# KiCad board arena_10_of_10_v1r1.kicad_pcb (continued)
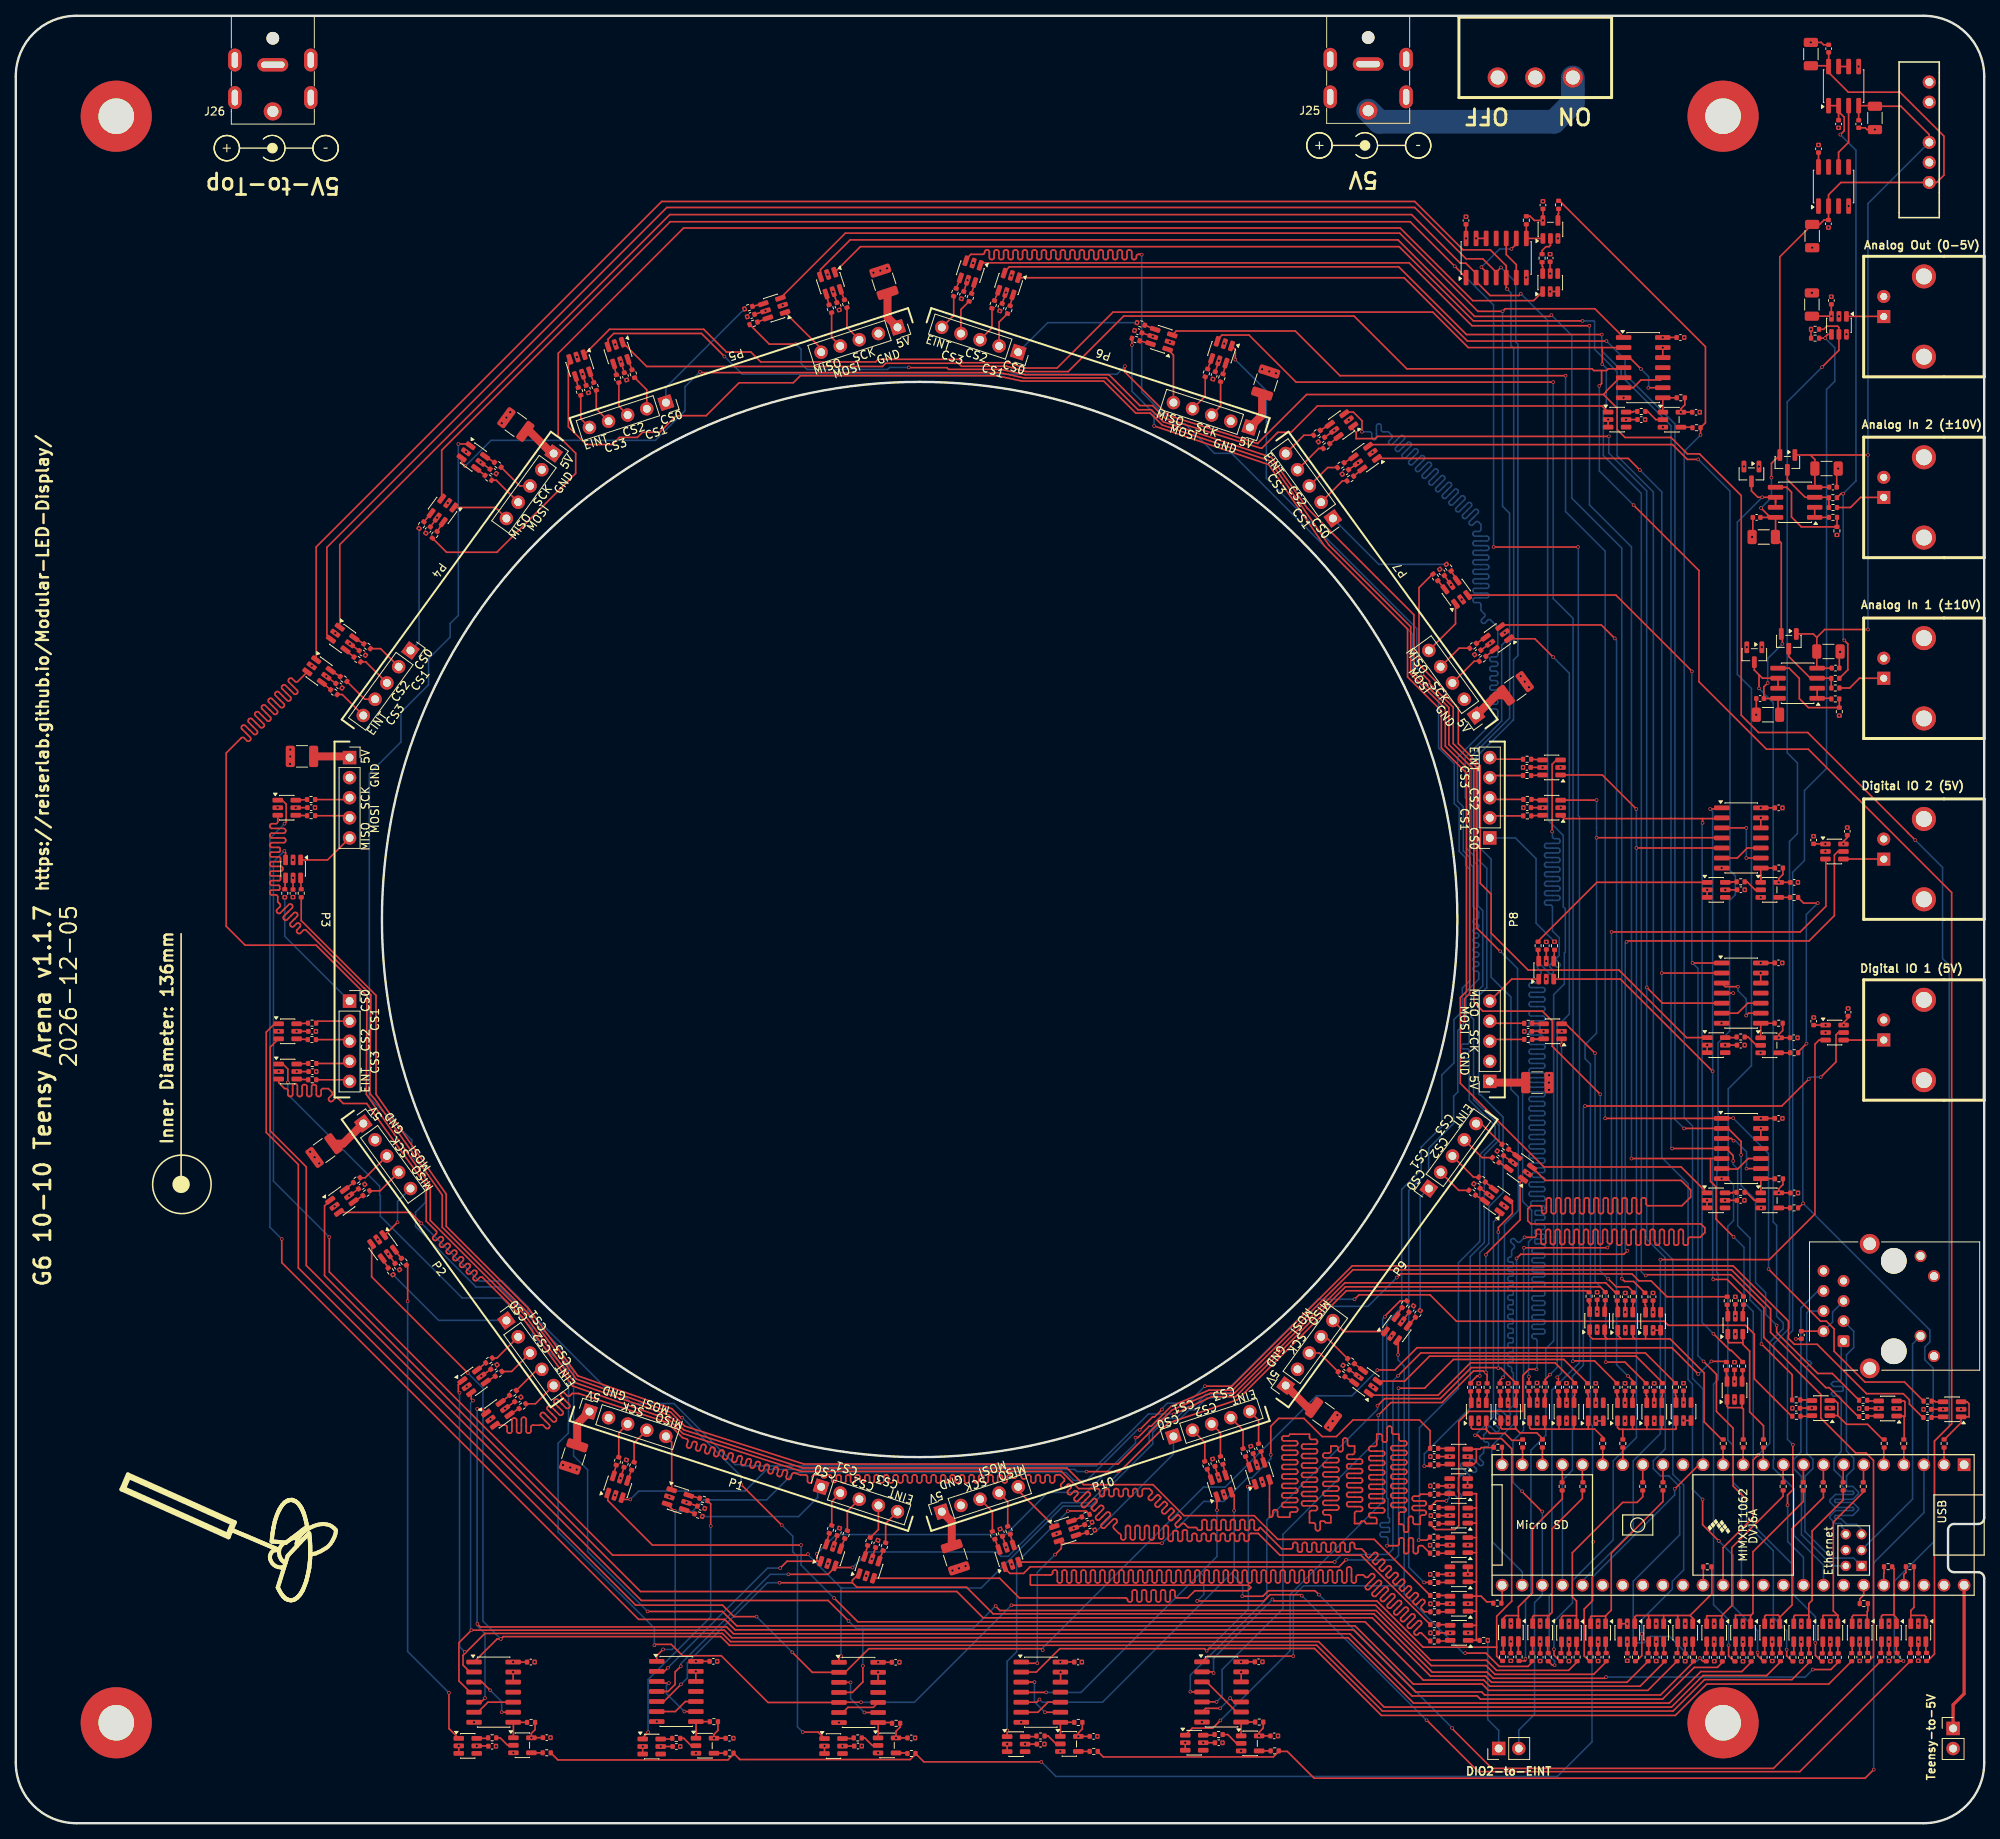
[diagram p0: board, top side]
## Routing (per net, layer and track width the routed paths; a pad name or vN(x,y) marks a point on that pad's centre or on a via; arc(x,y) is an arc through that point) (continued)
/Fan Out/TNY.MISO_B0: length 347
  Top w0.2: v1(129.69,7.76) 114.83,7.76 R192.1 113.77,8.72 113.11,8.05 91.57,8.05 91.45,8.17 90.83,8.79 ; U1.14 212.84,45.34 v1(209.79,42.28) ; R195.1 195.22,205.2 213.67,186.75 213.67,177.12 R198.1 v1(213.05,175.58) ; R189.1 68.55,8 90.04,8 90.83,8.79 ; 90.83,8.79 R186.1
  Bottom w0.2: v1(209.79,42.28) 209.79,41.51 199.32,31.05 199.32,10.29 194.95,5.92 131.53,5.92 v1(129.69,7.76) ; U1.14 213.36,54.92 212.04,56.25 212.04,88.18 210.99,89.23 210.99,173.52 v1(213.05,175.58)
/Fan Out/TNY.MISO_B1: length 226.8
  Top w0.2: R213.1 137.52,8.38 159.01,8.38 159.71,9.08 ; R201.1 225.46,77.83 v1(226.03,78.4) ; R207.1 225.39,117.07 226.08,116.38 v1(227.88,116.38) ; v1(234.95,6.78) 233.86,5.69 164.18,5.69 160.79,9.08 159.71,9.08 ; 159.71,9.08 R210.1 ; R204.1 225.4,97.55 v1(226.45,98.6)
  Bottom w0.2: v1(234.95,6.78) 234.95,32.93 241.3,39.28 U1.3 241.83,45.87 241.83,51.23 242.48,51.88 242.48,57.55 241.42,58.6 241.42,60.25 242.05,60.88 242.05,62.37 v1(226.03,78.4) 225.99,78.43 225.99,98.14 v1(226.45,98.6) 226.43,98.63 226.43,114.93 v1(227.88,116.38)
/Fan Out/TNY.MOSI_B0: length 32.5
  Top w0.2: 200.93,62 200.93,61.57 201.24,61.26 ; 200.93,62 U7.3 200.93,62 ; 215.92,48.51 215.76,48.51 213.5,50.77 213.5,56.95 209.19,61.26 206.1,61.26 ; 199.03,62.02 U7.1 199.03,62.02 ; 199.03,62.02 199.03,61.62 199.39,61.26 201.24,61.26 ; 201.24,61.26 203.03,61.26 ; 203.03,61.26 202.58,61.71 202.58,62.37 ; 203.03,61.26 204.76,61.26 ; 204.76,61.26 206.1,61.26 ; 204.76,61.26 204.49,61.54 U8.3 ; 206.1,61.26 U9.1
/Fan Out/TNY.MOSI_B1: length 13.9
  Top w0.2: U14.1 206.25,49.83 206.24,49.82 ; 204.45,49.82 206.24,49.82 ; 204.45,49.82 203.22,49.82 ; 204.45,49.82 U13.3 ; 206.24,49.82 208.14,49.82 ; 203.22,49.82 R14.1 ; 203.22,49.82 202.78,49.82 202.55,50.05 U13.1 ; U14.3 208.15,49.83 208.14,49.82 ; 209.95,50.93 209.95,49.88 209.89,49.82 208.14,49.82
/Fan Out/TNY.SCK_B0: length 19.6
  Top w0.2: 211.73,26.27 214.48,29.02 214.48,32.27 214.42,32.33 R24.1 ; 211.73,26.27 212.06,25.94 U5.1 ; 211.73,26.27 210.13,26.27 ; U5.3 210.17,26.24 210.13,26.27 ; U4.1 208.39,26.27 ; 208.39,26.27 206.5,26.27 ; 208.39,26.27 210.13,26.27 ; 206.5,26.27 206.49,26.26 U4.3 ; 206.5,26.27 204.92,26.27 204.74,26.09 U6.1
/Fan Out/TNY.SCK_B1: length 15.4
  Top w0.2: U12.1 198.85,49.86 198.87,49.84 ; 198.87,49.84 199.67,49.84 200.68,48.83 200.68,48.35 ; 198.87,49.84 197.04,49.84 ; 193.37,49.84 193.34,49.87 193.34,50.93 ; 193.37,49.84 191.6,49.84 191.44,50 191.44,50.93 ; 193.37,49.84 195.15,49.84 ; U11.1 195.15,49.84 ; 195.15,49.84 197.04,49.84 ; U11.3 197.05,49.85 197.04,49.84
/Panels/Panel Column P1/Column Buffer/CS0_OUT: length 17.1
  Top w0.2: 86.82,38.81 R101.2 v1(86.82,38.81)
  Bottom w0.2: v1(86.82,38.81) 86.85,38.78 98.98,38.78 101.4,41.19 101.4,42.11 J6.1
/Panels/Panel Column P1/Column Buffer/CS1_OUT: length 4.5
  Top w0.2: J6.2 103.18,40.69 R102.2
/Panels/Panel Column P1/Column Buffer/CS2_OUT: length 4.6
  Top w0.2: J6.3 105.15,39.46 R103.2
/Panels/Panel Column P1/Column Buffer/CS_3OUT: length 4.5
  Top w0.2: J6.4 109.08,37.15 R104.2
/Panels/Panel Column P1/Column Buffer/EINT_OUT: length 4.6
  Top w0.2: J6.5 110,37.9 R105.2
/Panels/Panel Column P1/Column Buffer/MISO_IN: length 7.1
  Top w0.2: U43.1 82.94,48.19 J5.5
/Panels/Panel Column P1/Column Buffer/MOSI_OUT: length 4.7
  Top w0.2: J5.4 78.19,48.11 R100.2
/Panels/Panel Column P1/Column Buffer/SCK_OUT: length 4.7
  Top w0.2: J5.3 76.25,49.37 R99.2
/Panels/Panel Column P2/Column Buffer/CS0_OUT: length 16.8
  Top w0.2: 47.69,69.38 R109.2 ; 47.69,69.38 47.69,69.38 ; 47.69,69.38 v1(47.69,69.38)
  Bottom w0.2: v1(47.69,69.38) 53.47,63.6 62.02,63.6 J8.1
/Panels/Panel Column P2/Column Buffer/CS1_OUT: length 4.4
  Top w0.2: J8.2 60.84,58.83 R110.2
/Panels/Panel Column P2/Column Buffer/CS2_OUT: length 4.5
  Top w0.2: J8.3 62.7,57.14 R111.2
/Panels/Panel Column P2/Column Buffer/CS_3OUT: length 4.4
  Top w0.2: R112.2 65.97,57.41 J8.4
/Panels/Panel Column P2/Column Buffer/EINT_OUT: length 4.5
  Top w0.2: R113.2 65.71,53.05 J8.5
/Panels/Panel Column P2/Column Buffer/MISO_IN: length 7.4
  Top w0.2: U47.1 46.65,74.38 v1(48.28,76)
  Bottom w0.2: v1(48.28,76) 48.28,78.64 J7.5
/Panels/Panel Column P2/Column Buffer/MOSI_OUT: length 4.6
  Top w0.2: R108.2 46.08,79.99 J7.4
/Panels/Panel Column P2/Column Buffer/SCK_OUT: length 4.5
  Top w0.2: J7.3 44.18,81.64 R107.2
/Panels/Panel Column P3/Column Buffer/CS0_OUT: length 16.5
  Top w0.2: R117.2 v1(34.01,117.11)
  Bottom w0.2: v1(34.01,117.11) 34.01,112.18 J10.1
/Panels/Panel Column P3/Column Buffer/CS1_OUT: length 4.3
  Top w0.2: J10.2 38.22,101.44 R118.2
/Panels/Panel Column P3/Column Buffer/CS2_OUT: length 4.3
  Top w0.2: R119.2 42,99.11 J10.3
/Panels/Panel Column P3/Column Buffer/CS_3OUT: length 4.3
  Top w0.2: J10.4 41.94,96.09 R120.2
/Panels/Panel Column P3/Column Buffer/EINT_OUT: length 4.3
  Top w0.2: R121.2 42,94.03 J10.5
/Panels/Panel Column P3/Column Buffer/MISO_IN: length 7.3
  Top w0.2: 36.01,121.84 39.42,121.84 J9.5
/Panels/Panel Column P3/Column Buffer/MOSI_OUT: length 4.5
  Top w0.2: J9.4 41.94,127.43 R116.2
/Panels/Panel Column P3/Column Buffer/SCK_OUT: length 4.5
  Top w0.2: J9.3 41.98,129.47 R115.2
/Panels/Panel Column P4/Column Buffer/CS0_OUT: length 15.9
  Top w0.2: 50.99,163.77 v1(50.99,163.77) ; 50.99,163.77 51,163.77 50.99,163.77
  Bottom w0.2: v1(50.99,163.77) 50.99,149.41 J12.1
/Panels/Panel Column P4/Column Buffer/CS1_OUT: length 4.5
  Top w0.2: J12.2 46.13,148.56 R126.2
/Panels/Panel Column P4/Column Buffer/CS2_OUT: length 4.4
  Top w0.2: J12.3 44.25,146.89 R127.2
/Panels/Panel Column P4/Column Buffer/CS_3OUT: length 4.5
  Top w0.2: R128.2 44.12,142.16 J12.4
/Panels/Panel Column P4/Column Buffer/EINT_OUT: length 4.4
  Top w0.2: R129.2 41.29,142.75 J12.5
/Panels/Panel Column P4/Column Buffer/MISO_IN: length 7.2
  Top w0.2: U55.1 60.65,166.41 J11.5
/Panels/Panel Column P4/Column Buffer/MOSI_OUT: length 4.5
  Top w0.2: R124.2 60.76,169.86 J11.4
/Panels/Panel Column P4/Column Buffer/SCK_OUT: length 4.6
  Top w0.2: J11.3 63.74,169.13 R123.2
/Panels/Panel Column P5/Column Buffer/CS0_OUT: length 16
  Top w0.2: 92.16,191.53 R133.2 92.16,191.53 ; 92.16,191.53 v1(92.16,191.53)
  Bottom w0.2: J14.1 82.21,181.58 v1(92.16,191.53)
/Panels/Panel Column P5/Column Buffer/CS1_OUT: length 4.6
  Top w0.2: J14.2 79.79,181.29 R134.2
/Panels/Panel Column P5/Column Buffer/CS2_OUT: length 4.6
  Top w0.2: J14.3 76.26,179.22 R135.2
/Panels/Panel Column P5/Column Buffer/CS_3OUT: length 4.6
  Top w0.2: R136.2 73.4,178.88 J14.4
/Panels/Panel Column P5/Column Buffer/EINT_OUT: length 4.5
  Top w0.2: R137.2 71.44,177.64 J14.5
/Panels/Panel Column P5/Column Buffer/MISO_IN: length 6.9
  Top w0.2: U59.1 101.84,186.52 J13.5
/Panels/Panel Column P5/Column Buffer/MOSI_OUT: length 4.7
  Top w0.2: R132.2 103.16,187.93 J13.4
/Panels/Panel Column P5/Column Buffer/SCK_OUT: length 4.7
  Top w0.2: J13.3 105.1,189.19 R131.2
/Panels/Panel Column P6/Column Buffer/CS0_OUT: length 16.6
  Top w0.2: v1(141.78,189.79) R141.2 141.78,189.79
  Bottom w0.2: v1(141.78,189.79) 130.5,189.79 J16.1
/Panels/Panel Column P6/Column Buffer/CS1_OUT: length 4.5
  Top w0.2: J16.2 124.35,189.87 R142.2
/Panels/Panel Column P6/Column Buffer/CS2_OUT: length 4.6
  Top w0.2: R143.2 123.45,189.14 J16.3
/Panels/Panel Column P6/Column Buffer/CS_3OUT: length 4.5
  Top w0.2: J16.4 119.52,191.45 R144.2
/Panels/Panel Column P6/Column Buffer/EINT_OUT: length 4.6
  Top w0.2: R145.2 118.6,190.7 J16.5
/Panels/Panel Column P6/Column Buffer/MISO_IN: length 7.1
  Top w0.2: J15.5 146.39,185.69 U63.1
/Panels/Panel Column P6/Column Buffer/MOSI_OUT: length 4.7
  Top w0.2: J15.4 150.41,180.49 R140.2
/Panels/Panel Column P6/Column Buffer/SCK_OUT: length 4.7
  Top w0.2: R139.2 152.35,179.23 J15.3
/Panels/Panel Column P7/Column Buffer/CS0_OUT: length 16.8
  Top w0.2: R149.2 v1(180.9,159.22)
  Bottom w0.2: v1(180.9,159.22) 172.36,159.22 J18.1
/Panels/Panel Column P7/Column Buffer/CS1_OUT: length 4.4
  Top w0.2: R150.2 167.76,169.77 J18.2
/Panels/Panel Column P7/Column Buffer/CS2_OUT: length 4.5
  Top w0.2: J18.3 165.9,171.46 R151.2
/Panels/Panel Column P7/Column Buffer/CS_3OUT: length 4.4
  Top w0.2: R152.2 164.77,173.88 J18.4
/Panels/Panel Column P7/Column Buffer/EINT_OUT: length 4.5
  Top w0.2: J18.5 162.89,175.55 R153.2
/Panels/Panel Column P7/Column Buffer/MISO_IN: length 7.3
  Top w0.2: J17.5 182.06,151.7 U67.1
/Panels/Panel Column P7/Column Buffer/MOSI_OUT: length 4.6
  Top w0.2: R148.2 182.52,148.61 J17.4
/Panels/Panel Column P7/Column Buffer/SCK_OUT: length 4.5
  Top w0.2: R147.2 184.42,146.96 J17.3
/Panels/Panel Column P8/Column Buffer/CS0_OUT: length 18.4
  Top w0.2: 194.58,111.5 R157.2 194.58,111.5 ; 194.58,111.5 v1(194.58,111.5)
  Bottom w0.2: J20.1 189.63,124.62 192.25,122 192.25,113.83 v1(194.58,111.5)
/Panels/Panel Column P8/Column Buffer/CS1_OUT: length 4.3
  Top w0.2: R158.2 186.64,127.41 J20.2
/Panels/Panel Column P8/Column Buffer/CS2_OUT: length 4.3
  Top w0.2: R159.2 186.6,129.49 J20.3
/Panels/Panel Column P8/Column Buffer/CS_3OUT: length 4.3
  Top w0.2: J20.4 186.66,132.51 R160.2
/Panels/Panel Column P8/Column Buffer/EINT_OUT: length 4.3
  Top w0.2: J20.5 186.6,134.57 R161.2
/Panels/Panel Column P8/Column Buffer/MISO_IN: length 7.3
  Top w0.2: J19.5 189.18,106.77 192.59,106.77
/Panels/Panel Column P8/Column Buffer/MOSI_OUT: length 4.5
  Top w0.2: R156.2 186.66,101.17 J19.4
/Panels/Panel Column P8/Column Buffer/SCK_OUT: length 4.5
  Top w0.2: R155.2 186.62,99.13 J19.3
/Panels/Panel Column P9/Column Buffer/CS0_OUT: length 15.9
  Top w0.2: 177.6,64.84 v1(177.6,64.84) ; 177.6,64.84 177.6,64.84 177.6,64.84
  Bottom w0.2: J22.1 177.6,79.18 v1(177.6,64.84)
/Panels/Panel Column P9/Column Buffer/CS1_OUT: length 4.5
  Top w0.2: J22.2 182.47,80.04 R166.2
/Panels/Panel Column P9/Column Buffer/CS2_OUT: length 4.4
  Top w0.2: J22.3 184.35,81.71 R167.2
/Panels/Panel Column P9/Column Buffer/CS_3OUT: length 4.5
  Top w0.2: R168.2 185.42,84.19 J22.4
/Panels/Panel Column P9/Column Buffer/EINT_OUT: length 4.4
  Top w0.2: J22.5 185.3,88.49 R169.2
/Panels/Panel Column P9/Column Buffer/MISO_IN: length 7.2
  Top w0.2: U75.1 167.95,62.19 J21.5
/Panels/Panel Column P9/Column Buffer/MOSI_OUT: length 4.5
  Top w0.2: R164.2 165.65,61.52 J21.4
/Panels/Panel Column P9/Column Buffer/SCK_OUT: length 4.6
  Top w0.2: J21.3 164.86,59.47 R163.2
/Panels/Panel Column P10/Column Buffer/CS0_OUT: length 16.2
  Top w0.2: 136.44,37.07 R173.2 136.44,37.07 ; 136.44,37.07 v1(136.44,37.07)
  Bottom w0.2: v1(136.44,37.07) 136.77,37.07 146.39,46.69 J24.1
/Panels/Panel Column P10/Column Buffer/CS1_OUT: length 4.6
  Top w0.2: J24.2 150.35,48.16 R174.2
/Panels/Panel Column P10/Column Buffer/CS2_OUT: length 4.6
  Top w0.2: J24.3 152.34,49.38 R175.2
/Panels/Panel Column P10/Column Buffer/CS_3OUT: length 4.6
  Top w0.2: R176.2 155.2,49.72 J24.4
/Panels/Panel Column P10/Column Buffer/EINT_OUT: length 4.5
  Top w0.2: R177.2 157.16,50.96 J24.5
/Panels/Panel Column P10/Column Buffer/MISO_IN: length 6.9
  Top w0.2: J23.5 126.76,42.08 U79.1
/Panels/Panel Column P10/Column Buffer/MOSI_OUT: length 4.7
  Top w0.2: R172.2 125.44,40.67 J23.4
/Panels/Panel Column P10/Column Buffer/SCK_OUT: length 4.7
  Top w0.2: J23.3 123.5,39.41 R171.2
/Power/SW_5V: length 32.3
  Bottom w0.2: SW1.1 196.9,219.2 196.9,219.19
  Bottom w3: J25.1 172.42,215.2 194.51,215.2 196.9,217.59 SW1.1
/Teensy/D29_0_3V3: length 90.2
  Top w0.2: v1(207.97,71.28) 221.75,71.28 227.52,77.05 227.52,98.53 228.04,99.05 U2.3
  Bottom w0.2: v1(207.97,71.28) 207.97,49.27 204.54,45.84 204.54,37.06 198.12,30.64 U1.29
/Teensy/D29_5V: length 5.1
  Top w0.2: U2.4 236.21,99.05 J3.1
/Teensy/D35_0_3V3: length 151.8
  Top w0.2: v1(201.27,72.81) 201.24,72.78 v1(190.74,72.78) ; v1(201.79,112.73) 225.66,112.73 228.9,115.97 228.9,121.9 U3.3 ; v1(190.47,41.98) 190.47,41.95 193,39.42 v1(193.04,39.42)
  Bottom w0.2: J30.2 190.06,11.79 192.06,13.78 192.06,27.9 193.04,28.88 U1.27 v1(193.04,39.42) ; v1(190.47,41.98) 189.33,43.12 189.33,48.35 190.67,49.69 190.67,72.71 v1(190.74,72.78) ; v1(201.27,72.81) 201.79,73.33 v1(201.79,112.73)
/Teensy/D35_5V: length 5.1
  Top w0.2: 236.2,121.96 J4.1 236.2,121.95 U3.4
/Teensy/ETH_LED: length 31
  Bottom w0.2: 234.01,35.14 U1.61 234.01,35.14 ; 234.01,35.14 239.86,40.99 239.86,60.61 J1.10
/Teensy/ETH_R+: length 41
  Bottom w0.2: 232.91,33.03 U1.60 232.91,33.03 ; 232.91,33.03 232.42,33.53 229.62,33.53 226.25,36.9 226.25,43.87 226.26,43.87 227.26,44.87 227.26,46.03 226.47,46.82 226.47,57.7 226.68,57.91 226.87,57.91 227.08,58.13 227.08,58.23 226.87,58.44 226.68,58.44 226.47,58.66 226.47,64.54 226.7,64.77 J1.4
/Teensy/ETH_R-: length 40.5
  Bottom w0.2: U1.65 229.77,32.54 225.81,36.51 225.81,43.87 224.83,44.85 224.83,46.05 224.86,46.05 225.74,46.93 225.74,65.16 227.89,67.31 J1.6
/Teensy/ETH_T+: length 39.6
  Bottom w0.2: U1.63 231.41,36.97 230.9,37.48 230.9,37.8 230.8,37.9 230.11,37.9 229.39,38.62 229.39,38.82 230.11,39.54 232.31,39.54 232.41,39.64 232.41,39.84 232.31,39.94 230.11,39.94 229.39,40.66 229.39,40.86 230.11,41.58 232.31,41.58 232.41,41.68 232.41,41.88 232.31,41.98 231.62,41.98 230.9,42.7 230.9,43.72 229.93,44.69 229.93,46.09 230.84,47 230.84,53.75 230.59,54 229.85,54 229.6,54.25 229.6,54.37 229.85,54.62 230.96,54.62 231.08,54.74 231.08,55.12 230.96,55.24 229.85,55.24 229.6,55.49 229.6,55.61 229.85,55.86 230.59,55.86 230.84,56.11 230.84,60.66 J1.1
/Teensy/ETH_T-: length 39.8
  Bottom w0.2: J1.3 232.42,62.22 232.42,60.15 231.5,59.23 231.5,47.09 232.41,46.18 232.41,44.82 231.52,43.93 231.52,42.7 231.62,42.6 232.31,42.6 233.03,41.88 233.03,41.68 232.31,40.96 230.11,40.96 230.01,40.86 230.01,40.66 230.11,40.56 232.31,40.56 233.03,39.84 233.03,39.64 232.31,38.92 230.11,38.92 230.01,38.82 230.01,38.62 230.11,38.52 230.8,38.52 231.52,37.8 232.77,37.8 233.41,37.16 U1.62
Net-(J1-RCT): length 7.7
  Top w0.2: C1.1 J1.2
  Bottom w0.2: J1.5 229.75,64.65 229.75,63.38 J1.2
Net-(J30-Pin_1): length 14.3
  Top w0.2: R216.1 v1(186.14,23.13)
  Bottom w0.2: v1(186.14,23.13) 186.14,13.11 187.53,11.73 J30.1
Net-(R28-Pad1): length 1.5
  Top w0.2: R28.1 208.39,21.58 U4.6
Net-(R29-Pad1): length 1.5
  Top w0.2: U4.4 206.49,21.58 R29.1
Net-(R30-Pad1): length 1.5
  Top w0.2: R30.1 212.06,21.58 U5.6
Net-(R31-Pad1): length 1.5
  Top w0.2: R31.1 210.17,21.6 U5.4
Net-(R32-Pad1): length 1.5
  Top w0.2: U6.6 204.74,21.59 R32.1
Net-(R33-Pad1): length 2
  Top w0.2: R33.1 198.95,65.79 199.03,65.71 199.03,65.2 ; 199.03,65.2 U7.6 199.03,65.2
Net-(R34-Pad1): length 1.9
  Top w0.2: 201,66.15 201,65.57 200.93,65.5 200.93,65.1 ; 200.93,65.1 200.93,65.09 U7.4 200.93,65.1
Net-(R35-Pad1): length 1.5
  Top w0.2: R35.1 202.51,65.43 202.58,65.36 202.58,64.65
Net-(R36-Pad1): length 1.5
  Top w0.2: U8.4 204.49,65.61 204.55,65.67 R36.1
Net-(R37-Pad1): length 1.5
  Top w0.2: R37.1 206.02,65.59 206.1,65.51 U9.6
Net-(R38-Pad1): length 1.5
  Top w0.2: U10.6 191.44,53.98 191.35,54.07 R38.1
Net-(R39-Pad1): length 1.5
  Top w0.2: R39.1 193.41,54.06 193.42,54.05 193.34,53.97 U10.4
Net-(R40-Pad1): length 1.5
  Top w0.2: U11.6 195.15,53.93 195.07,54.01 R40.1
Net-(R41-Pad1): length 1.5
  Top w0.2: U11.4 197.05,54 197.13,54.09 R41.1
Net-(R42-Pad1): length 1.5
  Top w0.2: U12.6 198.85,54.18 198.77,54.26 R42.1
Net-(R43-Pad1): length 1.5
  Top w0.2: U13.6 202.55,54.03 202.48,54.11 R43.1
Net-(R44-Pad1): length 1.5
  Top w0.2: U13.4 204.45,53.98 204.54,54.07 R44.1
Net-(R45-Pad1): length 1.5
  Top w0.2: U14.6 206.25,54.04 206.17,54.12 R45.1
Net-(R46-Pad1): length 1.5
  Top w0.2: U14.4 208.15,54 208.22,54.07 R46.1
Net-(R47-Pad1): length 1.5
  Top w0.2: R47.1 209.88,54.13 209.95,54.05 U15.6
Net-(R48-Pad1): length 1.5
  Top w0.2: R48.1 242.34,51.4 U16.6
Net-(R49-Pad1): length 1.5
  Top w0.2: U16.4 242.75,53.3 242.67,53.38 R49.1
Net-(R50-Pad1): length 1.5
  Top w0.2: U17.6 234.2,51.5 R50.1
Net-(R51-Pad1): length 1.5
  Top w0.2: U17.4 234.21,53.4 R51.1
Net-(R52-Pad1): length 1.5
  Top w0.2: U18.6 227.04,51.47 R52.1
Net-(R53-Pad1): length 1.5
  Top w0.2: U18.4 227.04,53.54 R53.1
Net-(R54-Pad1): length 1.5
  Top w0.2: 230.42,22.95 230.42,21.54 R54.1
Net-(R55-Pad1): length 1.5
  Top w0.2: R55.1 228.51,21.56 U19.4
Net-(R56-Pad1): length 1.5
  Top w0.2: R56.1 226.74,21.56 U20.6
Net-(R57-Pad1): length 1.5
  Top w0.2: R57.1 224.84,21.6 U20.4
Net-(R58-Pad1): length 1.5
  Top w0.2: U21.6 223.06,21.9 223.14,21.81 R58.1
Net-(R59-Pad1): length 1.5
  Top w0.2: 221.12,21.54 R59.1 221.12,21.54 ; 221.12,21.54 221.16,21.57 U21.4
Net-(R60-Pad1): length 1.5
  Top w0.2: U22.6 219.38,21.56 R60.1
Net-(R61-Pad1): length 1.5
  Top w0.2: U22.4 217.48,21.56 R61.1
Net-(R62-Pad1): length 1.5
  Top w0.2: 215.76,21.53 R62.1 215.76,21.53 ; 215.76,21.53 215.73,21.56 U23.6
Net-(R63-Pad1): length 1.5
  Top w0.2: 213.8,21.53 213.82,21.55 U23.4 ; 213.8,21.53 R63.1 213.8,21.53
Net-(R64-Pad1): length 1.5
  Top w0.2: R64.1 216.42,64.98 216.5,64.9 U24.6
Net-(R65-Pad1): length 1.5
  Top w0.2: R65.1 218.48,64.99 218.4,64.91 U24.4
Net-(R66-Pad1): length 1.5
  Top w0.2: R66.1 216.31,56.68 216.4,56.59 216.4,55.88
Net-(R67-Pad1): length 1.5
  Top w0.2: 218.3,55.88 218.3,56.55 218.38,56.63 R67.1
Net-(R68-Pad1): length 1.5
  Top w0.2: U26.6 201.05,21.59 R68.1
Net-(R69-Pad1): length 1.5
  Top w0.2: U26.4 199.15,21.59 R69.1
Net-(R70-Pad1): length 1.4
  Top w0.2: U27.6 197.37,21.6 R70.1
Net-(R71-Pad1): length 1.5
  Top w0.2: 195.46,22.93 195.46,21.59 R71.1
Net-(R72-Pad1): length 1.5
  Top w0.2: R72.1 193.71,21.59 U28.6
Net-(R73-Pad1): length 1.5
  Top w0.2: R73.1 191.81,21.62 U28.4
Net-(R74-Pad1): length 1.5
  Top w0.2: R74.1 190.01,21.62 U29.6
Net-(R75-Pad1): length 1.5
  Top w0.2: R75.1 188.12,21.64 U29.4
Net-(R76-Pad1): length 1.5
  Top w0.2: 187.76,53.19 187.76,54 187.69,54.07 R76.1
Net-(R77-Pad1): length 1.5
  Top w0.2: U30.4 189.66,53.95 189.75,54.03 R77.1
Net-(R78-Pad1): length 1.5
  Top w0.2: R78.1 183.97,54.11 184.05,54.03 U31.6
Net-(R79-Pad1): length 1.5
  Top w0.2: U31.4 185.95,53.93 186.06,54.04 R79.1
Net-(R80-Pad1): length 1.5
  Top w0.2: 181.29,45.37 181.25,45.33 R80.1 ; 181.29,45.37 U32.6 181.29,45.37
Net-(R81-Pad1): length 1.6
  Top w0.2: 181.29,47.36 181.33,47.32 181.29,47.36 ; 181.29,47.36 181.25,47.4 R81.1
Net-(R82-Pad1): length 1.5
  Top w0.2: R82.1 241.55,21.62 U33.6
Net-(R83-Pad1): length 1.5
  Top w0.2: 239.64,22.96 239.64,21.59 R83.1
Net-(R84-Pad1): length 1.5
  Top w0.2: 237.86,21.56 237.82,21.59 U34.6 ; 237.86,21.56 R84.1 237.86,21.56
Net-(R85-Pad1): length 1.5
  Top w0.2: 235.88,21.56 R85.1 235.88,21.56 ; 235.88,21.56 235.93,21.6 U34.4
Net-(R86-Pad1): length 1.5
  Top w0.2: 234.16,21.56 R86.1 234.16,21.56 ; 234.16,21.56 234.12,21.6 U35.6
Net-(R87-Pad1): length 1.5
  Top w0.2: U35.4 232.23,21.57 232.19,21.54 ; 232.19,21.54 R87.1 232.19,21.54
Net-(R88-Pad1): length 1.5
  Top w0.2: U36.6 181.27,34.15 R88.1
Net-(R89-Pad1): length 1.5
  Top w0.2: R89.1 181.29,36.18 U36.4
Net-(R90-Pad1): length 1.4
  Top w0.2: U37.6 181.26,37.88 R90.1
Net-(R91-Pad1): length 1.4
  Top w0.2: U37.4 181.27,39.93 R91.1
Net-(R92-Pad1): length 1.5
  Top w0.2: 181.32,41.68 181.25,41.61 R92.1
Net-(R93-Pad1): length 1.6
  Top w0.2: 181.34,23.08 181.38,23.12 181.34,23.08 ; 181.34,23.08 181.3,23.04 R93.1
Net-(R94-Pad1): length 1.6
  Top w0.2: 181.34,25.07 181.3,25.11 R94.1 ; 181.34,25.07 U39.4 181.34,25.07
Net-(R95-Pad1): length 1.5
  Top w0.2: 181.33,26.78 U40.6 181.33,26.78 ; 181.33,26.78 181.29,26.74 R95.1
Net-(R96-Pad1): length 1.6
  Top w0.2: 181.32,28.75 U40.4 181.32,28.75 181.32,28.75 ; 181.32,28.75 181.27,28.8 R96.1
Net-(R97-Pad1): length 1.5
  Top w0.2: R97.1 181.28,30.45 U41.6
Net-(R98-Pad1): length 1.4
  Top w0.2: U43.6 R98.1
Net-(R99-Pad1): length 1.4
  Top w0.2: U42.6 75.57,43.92 R99.1
Net-(R100-Pad1): length 1.4
  Top w0.2: R100.1 U42.4
Net-(R101-Pad1): length 1.4
  Top w0.2: U43.4 R101.1
Net-(R102-Pad1): length 1.4
  Top w0.2: R102.1 102.87,36.69 102.51,35.33 U44.6
Net-(R103-Pad1): length 1.4
  Top w0.2: R103.1 104.84,36.03 104.31,34.73
Net-(R104-Pad1): length 1.5
  Top w0.2: R104.1 U45.6
Net-(R105-Pad1): length 1.5
  Top w0.2: U45.4 109.15,33.14 R105.1
Net-(R106-Pad1): length 1.4
  Top w0.2: 48.78,71.43 47.95,72.44 U47.6
Net-(R107-Pad1): length 1.6
  Top w0.2: 41.7,80.21 R107.1 ; 41.7,80.21 41.68,80.21 U46.6 ; 41.7,80.21 41.6,80.13
Net-(R108-Pad1): length 1.4
  Top w0.2: U46.4 42.71,78.59 43.31,78.99 R108.1
Net-(R109-Pad1): length 1.4
  Top w0.2: 46.33,71.42 47.09,70.21 R109.1
Net-(R110-Pad1): length 1.4
  Top w0.2: U48.6 58.41,57.4 R110.1
Net-(R111-Pad1): length 1.4
  Top w0.2: U48.4 60.64,56.54
Net-(R112-Pad1): length 1.5
  Top w0.2: U49.6 61.41,53.29 R112.1
Net-(R113-Pad1): length 1.5
  Top w0.2: 63.66,52.45 U49.4
Net-(R114-Pad1): length 1.4
  Top w0.2: U51.6 R114.1
Net-(R115-Pad1): length 1.4
  Top w0.2: U50.6 R115.1
Net-(R116-Pad1): length 1.4
  Top w0.2: U50.4 R116.1
Net-(R117-Pad1): length 1.4
  Top w0.2: U51.4 R117.1
Net-(R118-Pad1): length 1.4
  Top w0.2: U52.6 R118.1
Net-(R119-Pad1): length 1.4
  Top w0.2: U52.4 R119.1
Net-(R120-Pad1): length 1.5
  Top w0.2: U53.6 R120.1
Net-(R121-Pad1): length 1.5
  Top w0.2: U53.4 R121.1
Net-(R122-Pad1): length 1.4
  Top w0.2: U55.6 53.67,163.97 R122.1
Net-(R123-Pad1): length 1.4
  Top w0.2: U54.6 R123.1
Net-(R124-Pad1): length 1.4
  Top w0.2: U54.4 58.32,171.27 59.34,170.46
Net-(R125-Pad1): length 1.4
  Top w0.2: 52.52,165.69 51.6,164.59
Net-(R126-Pad1): length 1.4
  Top w0.2: U56.6 42.81,149.94 44.02,149.16
Net-(R127-Pad1): length 1.4
  Top w0.2: U56.4 41.79,148.32 R127.1
Net-(R128-Pad1): length 1.5
  Top w0.2: U57.6 41.05,145.01
Net-(R129-Pad1): length 1.5
  Top w0.2: R129.1 39.83,143.35 U57.4
Net-(R130-Pad1): length 1.4
  Top w0.2: U59.6 95.11,190.38 R130.1
Net-(R131-Pad1): length 1.4
  Top w0.2: R131.1 104.27,194 U58.6
Net-(R132-Pad1): length 1.4
  Top w0.2: U58.4 R132.1
Net-(R133-Pad1): length 1.4
  Top w0.2: R133.1 U59.4
Net-(R134-Pad1): length 1.4
  Top w0.2: R134.1 U60.6
Net-(R135-Pad1): length 1.4
  Top w0.2: U60.4 75.95,183.19 R135.1
Net-(R136-Pad1): length 1.4
  Top w0.2: 72.58,183.55 R136.1
Net-(R137-Pad1): length 1.4
  Top w0.2: 70.77,182.95 71.13,181.58 R137.1
Net-(R138-Pad1): length 1.4
  Top w0.2: R138.1 U63.6
Net-(R139-Pad1): length 1.4
  Top w0.2: 153.03,184.64 R139.1
Net-(R140-Pad1): length 1.4
  Top w0.2: R140.1 150.96,184.54 151.22,185.25
Net-(R141-Pad1): length 1.4
  Top w0.2: U63.4 143.09,189.34 R141.1
Net-(R142-Pad1): length 1.4
  Top w0.2: R142.1 125.73,191.91 U64.6
Net-(R143-Pad1): length 1.4
  Top w0.2: U64.4 123.76,192.57 R143.1
Net-(R144-Pad1): length 1.5
  Top w0.2: R144.1 U65.6
Net-(R145-Pad1): length 1.5
  Top w0.2: R145.1 U65.4
Net-(R146-Pad1): length 1.6
  Top w0.2: 180.65,156.16 180.73,156.08 U67.6 180.65,156.16 ; 180.65,156.16 179.82,157.17
Net-(R147-Pad1): length 1.4
  Top w0.2: R147.1 U66.6
Net-(R148-Pad1): length 1.4
  Top w0.2: U66.4 185.89,150.01 185.29,149.61 R148.1
Net-(R149-Pad1): length 1.4
  Top w0.2: R149.1 181.5,158.39 182.26,157.18
Net-(R150-Pad1): length 1.4
  Top w0.2: R150.1 U68.6
Net-(R151-Pad1): length 1.4
  Top w0.2: 167.96,172.06 U68.4
Net-(R152-Pad1): length 1.4
  Top w0.2: 166.21,174.53 166.16,174.48 R152.1 166.21,174.53 ; 166.21,174.53 167.19,175.31
Net-(R153-Pad1): length 1.5
  Top w0.2: 166.17,176.93 164.94,176.15 R153.1
Net-(R154-Pad1): length 1.8
  Top w0.2: 192.53,110.11 U71.6 ; 192.53,110.11 R154.1 192.51,110.13 192.53,110.11
Net-(R155-Pad1): length 2.2
  Top w0.2: 192.49,99.17 R155.1 191.81,99.17 192.49,99.17 ; 192.49,99.17 U70.6
Net-(R156-Pad1): length 2.1
  Top w0.2: 192.42,101.14 U70.4 ; 192.42,101.14 191.79,101.14 R156.1 192.42,101.14
Net-(R157-Pad1): length 1.4
  Top w0.2: U71.4 R157.1
Net-(R158-Pad1): length 1.4
  Top w0.2: R158.1 U72.6
Net-(R159-Pad1): length 1.4
  Top w0.2: R159.1 U72.4
Net-(R160-Pad1): length 1.5
  Top w0.2: U73.6 193.08,132.58 R160.1
Net-(R161-Pad1): length 1.5
  Top w0.2: R161.1 193.08,134.48 U73.4
Net-(R162-Pad1): length 1.4
  Top w0.2: U75.6 R162.1
Net-(R163-Pad1): length 1.4
  Top w0.2: R163.1 U74.6
Net-(R164-Pad1): length 1.4
  Top w0.2: U74.4 169.5,57.95 169.25,58.14
Net-(R165-Pad1): length 1.4
  Top w0.2: 176.08,62.91 176.16,63.01 R165.1
Net-(R166-Pad1): length 1.4
  Top w0.2: R166.1 185.79,78.66 U76.6
Net-(R167-Pad1): length 1.4
  Top w0.2: R167.1 U76.4
Net-(R168-Pad1): length 1.5
  Top w0.2: 187.56,83.59 U77.6
Net-(R169-Pad1): length 1.5
  Top w0.2: 188.77,85.25 U77.4
Net-(R170-Pad1): length 1.4
  Top w0.2: R170.1 133.49,38.22 U79.6
Net-(R171-Pad1): length 1.4
  Top w0.2: R171.1 U78.6
Net-(R172-Pad1): length 1.4
  Top w0.2: R172.1 U78.4
Net-(R173-Pad1): length 1.4
  Top w0.2: R173.1 134.11,36.42 U79.4
Net-(R174-Pad1): length 1.4
  Top w0.2: R174.1 U80.6
Net-(R175-Pad1): length 1.4
  Top w0.2: R175.1 152.65,45.41 U80.4
Net-(R176-Pad1): length 1.5
  Top w0.2: R176.1 U81.6
Net-(R177-Pad1): length 1.5
  Top w0.2: U81.4 157.47,47.02 R177.1
Net-(R186-Pad2): length 1.5
  Top w0.2: R186.2 89.73,8.85 U88.4
Net-(R187-Pad2): length 4.9
  Top w0.2: 86.02,11.79 86.02,12.83 U89.8 87.76,12.85 R187.2 ; 86.02,11.79 86.02,11.79 U88.1 86.02,11.79
